# Altium PCB ESP32_Demo.PcbDoc (part 7 of 7) (continued)
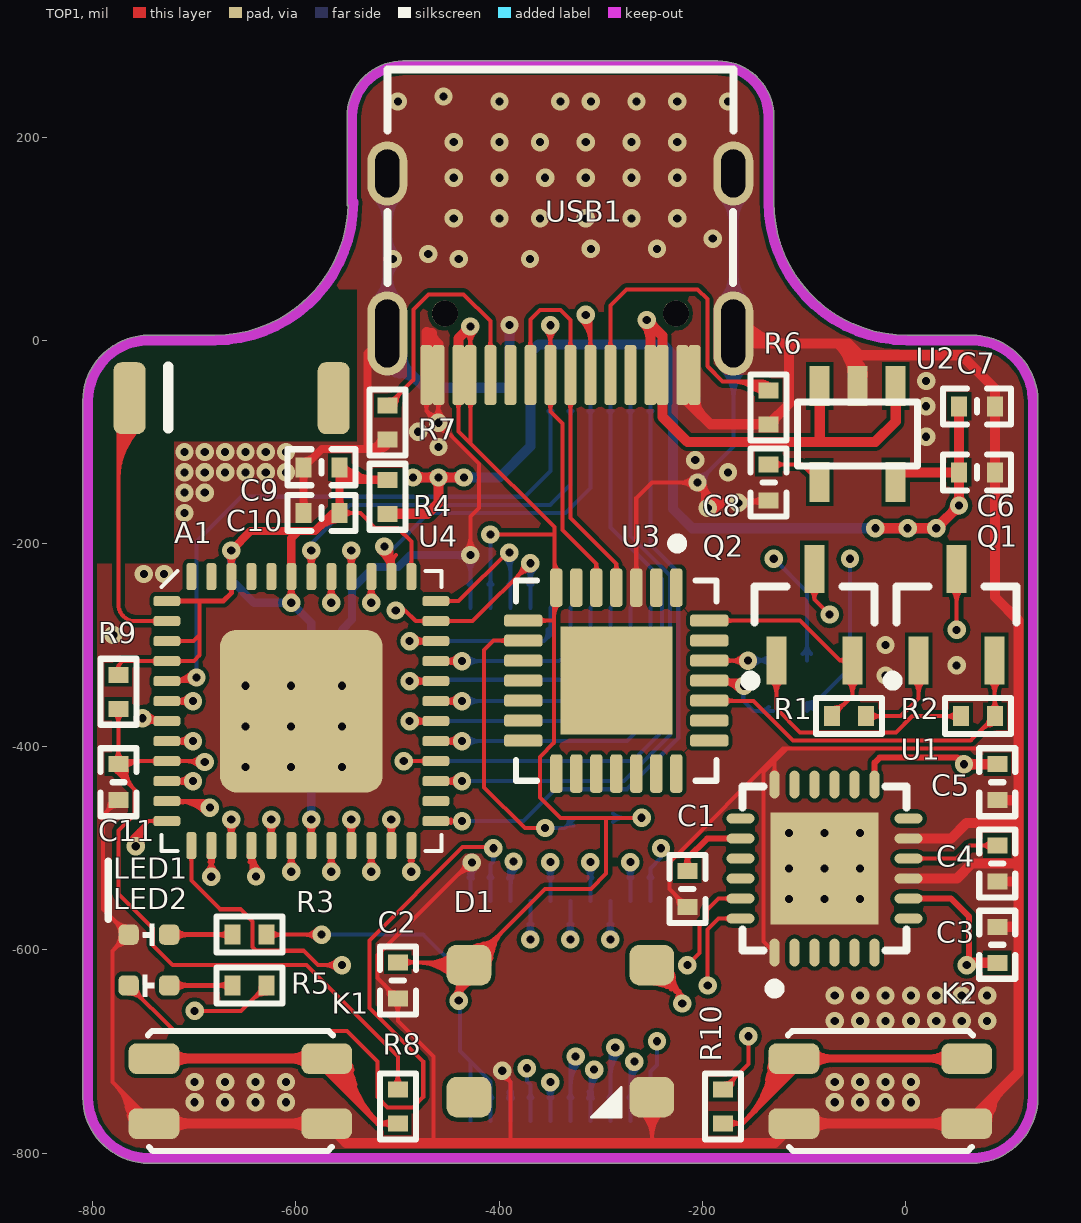
[diagram p0: TOP1 view]
## Nets (pads, with @x,y where several pads share a name; then routed paths per layer and width w, separated by ;. In a path a pad name is that pad's centre, name@x,y a point inside that pad or via, vN(x,y) a via of type N, cw(c..) or ccw(c..) an arc to the next point about the centre after c; other vN are vias at no path point) (continued)
  TOP1 w5: U4.1@-727.15,-256.73 -694.77,-256.73 -671.5,-256.73 -663.67,-248.9 U4.46@-663.67,-232.62 ; U4.1@-717.08,-258.44 cw(c-712.94,-262.58) -712.94,-256.73 ; U4.1@-717.08,-258.44 cw(c-712.94,-262.58) -712.94,-256.73 ; U4.1@-717.08,-258.44 cw(c-712.94,-262.58) -712.94,-256.73 ; U4.1@-717.08,-258.44 cw(c-712.94,-262.58) -712.94,-256.73 ; U4.1@-717.08,-258.44 cw(c-712.94,-262.58) -712.94,-256.73 ; U4.1@-717.08,-258.44 cw(c-712.94,-262.58) -712.94,-256.73 ; U4.1@-717.08,-255.02 ccw(c-712.94,-250.89) -712.94,-256.73 ; U4.1@-717.08,-255.02 ccw(c-712.94,-250.89) -712.94,-256.73 ; U4.1@-717.08,-255.02 ccw(c-712.94,-250.89) -712.94,-256.73 ; U4.1@-717.08,-255.02 ccw(c-712.94,-250.89) -712.94,-256.73 ; U4.1@-717.08,-255.02 ccw(c-712.94,-250.89) -712.94,-256.73 ; U4.1@-717.08,-255.02 ccw(c-712.94,-250.89) -712.94,-256.73 ; U4.46@-665.38,-242.7 cw(c-669.52,-246.83) -663.67,-246.83 ; U4.46@-665.38,-242.7 cw(c-669.52,-246.83) -663.67,-246.83 ; U4.46@-665.38,-242.7 cw(c-669.52,-246.83) -663.67,-246.83 ; U4.46@-665.38,-242.7 cw(c-669.52,-246.83) -663.67,-246.83 ; U4.46@-665.38,-242.7 cw(c-669.52,-246.83) -663.67,-246.83 ; U4.46@-665.38,-242.7 cw(c-669.52,-246.83) -663.67,-246.83 ; -663.67,-246.83 cw(c-657.82,-246.83) U4.46@-661.96,-242.7 ; -663.67,-246.83 cw(c-657.82,-246.83) U4.46@-661.96,-242.7 ; -663.67,-246.83 cw(c-657.82,-246.83) U4.46@-661.96,-242.7 ; -663.67,-246.83 cw(c-657.82,-246.83) U4.46@-661.96,-242.7 ; -663.67,-246.83 cw(c-657.82,-246.83) U4.46@-661.96,-242.7 ; -663.67,-246.83 cw(c-657.82,-246.83) U4.46@-661.96,-242.7
  TOP1 w8: v1(-663.67,-206.83) -644.68,-187.84 -597.61,-187.84 ; U4.43@-604.61,-232.62 -604.61,-194.84 -597.61,-187.84 ; C9.2@-557.06,-125 C10.2@-557.06,-170 -563.46,-170 -581.3,-187.84 -597.61,-187.84 ; -554.35,-137.29 R4.2@-509.77,-137.29 ; C9.2@-553.61,-125.21 ccw(c-544.6,-120.59) -544.6,-130.71 ; -577.96,-184.5 cw(c-557.06,-205.41) C10.2@-557.06,-175.85 ; -577.96,-184.5 cw(c-557.06,-205.41) C10.2@-557.06,-175.85 ; -577.96,-184.5 cw(c-557.06,-205.41) C10.2@-557.06,-175.85 ; -577.96,-184.5 cw(c-557.06,-205.41) C10.2@-557.06,-175.85 ; -577.96,-184.5 cw(c-557.06,-205.41) C10.2@-557.06,-175.85 ; -577.96,-184.5 cw(c-557.06,-205.41) C10.2@-557.06,-175.85 ; -573.85,-180.35 ccw(c-579.58,-158.97) C10.2@-560.41,-170.03 ; -573.85,-180.35 ccw(c-579.58,-158.97) C10.2@-560.41,-170.03 ; -573.85,-180.35 ccw(c-579.58,-158.97) C10.2@-560.41,-170.03 ; -573.85,-180.35 ccw(c-579.58,-158.97) C10.2@-560.41,-170.03 ; -573.85,-180.35 ccw(c-579.58,-158.97) C10.2@-560.41,-170.03 ; -573.85,-180.35 ccw(c-579.58,-158.97) C10.2@-560.41,-170.03 ; -573.85,-180.35 ccw(c-579.58,-158.97) C10.2@-560.41,-170.03 ; -573.85,-180.35 ccw(c-579.58,-158.97) C10.2@-560.41,-170.03 ; -573.85,-180.35 ccw(c-579.58,-158.97) C10.2@-560.41,-170.03 ; -573.85,-180.35 ccw(c-579.58,-158.97) C10.2@-560.41,-170.03 ; -573.85,-180.35 ccw(c-579.58,-158.97) C10.2@-560.41,-170.03 ; -573.85,-180.35 ccw(c-579.58,-158.97) C10.2@-560.41,-170.03 ; -573.85,-180.35 ccw(c-579.58,-158.97) C10.2@-560.41,-170.03 ; -573.85,-180.35 ccw(c-579.58,-158.97) C10.2@-560.41,-170.03 ; -573.85,-180.35 ccw(c-579.58,-158.97) C10.2@-560.41,-170.03 ; -568.51,-178.13 cw(c-561.36,-185.29) C10.2@-558.25,-175.66 ; -568.51,-178.13 cw(c-561.36,-185.29) C10.2@-558.25,-175.66 ; -568.51,-178.13 cw(c-561.36,-185.29) C10.2@-558.25,-175.66 ; -568.51,-178.13 cw(c-561.36,-185.29) C10.2@-558.25,-175.66 ; -568.51,-178.13 cw(c-561.36,-185.29) C10.2@-558.25,-175.66 ; -568.51,-178.13 cw(c-561.36,-185.29) C10.2@-558.25,-175.66 ; -568.51,-178.13 cw(c-561.36,-185.29) C10.2@-558.25,-175.66 ; -568.51,-178.13 cw(c-561.36,-185.29) C10.2@-558.25,-175.66 ; -568.51,-178.13 cw(c-561.36,-185.29) C10.2@-558.25,-175.66 ; -568.51,-178.13 cw(c-561.36,-185.29) C10.2@-558.25,-175.66 ; -568.51,-178.13 cw(c-561.36,-185.29) C10.2@-558.25,-175.66 ; -568.51,-178.13 cw(c-561.36,-185.29) C10.2@-558.25,-175.66 ; -568.51,-178.13 cw(c-561.36,-185.29) C10.2@-558.25,-175.66 ; -568.51,-178.13 cw(c-561.36,-185.29) C10.2@-558.25,-175.66 ; -568.51,-178.13 cw(c-561.36,-185.29) C10.2@-558.25,-175.66 ; -568.51,-178.13 cw(c-561.36,-185.29) C10.2@-558.25,-175.66 ; -568.51,-178.13 cw(c-561.36,-185.29) C10.2@-558.25,-175.66 ; -568.51,-178.13 cw(c-561.36,-185.29) C10.2@-558.25,-175.66 ; -568.51,-178.13 cw(c-561.36,-185.29) C10.2@-558.25,-175.66 ; -568.51,-178.13 cw(c-561.36,-185.29) C10.2@-558.25,-175.66 ; C9.2@-559.98,-129.89 ccw(c-542.12,-112.03) -542.12,-137.29 ; C9.2@-559.98,-129.89 ccw(c-542.12,-112.03) -542.12,-137.29 ; C9.2@-559.98,-129.89 ccw(c-542.12,-112.03) -542.12,-137.29 ; C10.2@-559.8,-165.3 ccw(c-566.41,-158.68) -557.06,-158.68 ; C10.2@-559.8,-165.3 ccw(c-566.41,-158.68) -557.06,-158.68 ; C10.2@-559.8,-165.3 ccw(c-566.41,-158.68) -557.06,-158.68 ; C10.2@-559.8,-165.3 ccw(c-566.41,-158.68) -557.06,-158.68 ; C10.2@-559.8,-165.3 ccw(c-566.41,-158.68) -557.06,-158.68 ; C10.2@-559.8,-165.3 ccw(c-566.41,-158.68) -557.06,-158.68 ; C9.2@-559.8,-129.71 cw(c-566.41,-136.32) -557.06,-136.32 ; C9.2@-559.8,-129.71 cw(c-566.41,-136.32) -557.06,-136.32 ; C9.2@-559.8,-129.71 cw(c-566.41,-136.32) -557.06,-136.32 ; C9.2@-559.8,-129.71 cw(c-566.41,-136.32) -557.06,-136.32 ; C9.2@-559.8,-129.71 cw(c-566.41,-136.32) -557.06,-136.32 ; C9.2@-559.8,-129.71 cw(c-566.41,-136.32) -557.06,-136.32 ; -557.06,-158.68 ccw(c-547.71,-158.68) C10.2@-554.32,-165.3 ; -557.06,-158.68 ccw(c-547.71,-158.68) C10.2@-554.32,-165.3 ; -557.06,-158.68 ccw(c-547.71,-158.68) C10.2@-554.32,-165.3 ; -557.06,-158.68 ccw(c-547.71,-158.68) C10.2@-554.32,-165.3 ; -557.06,-158.68 ccw(c-547.71,-158.68) C10.2@-554.32,-165.3 ; -557.06,-158.68 ccw(c-547.71,-158.68) C10.2@-554.32,-165.3 ; -557.06,-136.32 cw(c-547.71,-136.32) C9.2@-554.32,-129.71 ; -557.06,-136.32 cw(c-547.71,-136.32) C9.2@-554.32,-129.71 ; -557.06,-136.32 cw(c-547.71,-136.32) C9.2@-554.32,-129.71 ; -557.06,-136.32 cw(c-547.71,-136.32) C9.2@-554.32,-129.71 ; -557.06,-136.32 cw(c-547.71,-136.32) C9.2@-554.32,-129.71 ; -557.06,-136.32 cw(c-547.71,-136.32) C9.2@-554.32,-129.71 ; C9.2@-556.06,-130.71 cw(c-550.33,-152.09) -539.26,-132.92 ; C9.2@-556.06,-130.71 cw(c-550.33,-152.09) -539.26,-132.92 ; C9.2@-556.06,-130.71 cw(c-550.33,-152.09) -539.26,-132.92 ; C9.2@-554.32,-124.23 ccw(c-522.8,-92.72) -522.8,-137.29 ; C9.2@-554.32,-124.23 ccw(c-522.8,-92.72) -522.8,-137.29 ; C9.2@-554.32,-124.23 ccw(c-522.8,-92.72) -522.8,-137.29 ; C9.2@-553.19,-126.81 ccw(c-540.12,-126.25) -546.66,-137.58 ; C9.2@-553.19,-126.81 ccw(c-540.12,-126.25) -546.66,-137.58 ; C9.2@-553.19,-126.81 ccw(c-540.12,-126.25) -546.66,-137.58 ; -521.09,-137.29 cw(c-521.09,-146.64) R4.2@-514.48,-140.03 ; -521.09,-137.29 ccw(c-521.09,-127.93) R4.2@-514.48,-134.55 ; -521.09,-137.29 cw(c-521.09,-146.64) R4.2@-514.48,-140.03 ; -521.09,-137.29 ccw(c-521.09,-127.93) R4.2@-514.48,-134.55 ; -521.09,-137.29 cw(c-521.09,-146.64) R4.2@-514.48,-140.03 ; -521.09,-137.29 ccw(c-521.09,-127.93) R4.2@-514.48,-134.55 ; -521.09,-137.29 cw(c-521.09,-146.64) R4.2@-514.48,-140.03 ; -521.09,-137.29 ccw(c-521.09,-127.93) R4.2@-514.48,-134.55 ; -521.09,-137.29 cw(c-521.09,-146.64) R4.2@-514.48,-140.03 ; -521.09,-137.29 ccw(c-521.09,-127.93) R4.2@-514.48,-134.55 ; -521.09,-137.29 ccw(c-521.09,-127.93) R4.2@-514.48,-134.55 ; -521.09,-137.29 cw(c-521.09,-146.64) R4.2@-514.48,-140.03
  BOTTOM4 w8: v1(-663.67,-206.83) -663.67,-236.1 -641.37,-258.41 v1(-604.61,-258.41) -584.93,-278.09 v1(-584.93,-471.59)
VCC_3V3: C3.2 C5.1 C6.2 C7.2 LED2.1 P1.14 P2.12 R4.1 U1.8 U1.13 U2.5 | length 4878
  TOP1 w4: v1(-405.77,-499.98) -406.81,-498.94 -435.94,-498.94 -527.77,-590.77 -527.77,-657 -474.77,-710 -474.77,-745 -484.77,-755 -509.77,-755 -519.77,-745 -519.77,-710 -549.77,-680 -719.77,-680 LED2.1@-764.77,-635 ; LED2.1@-764.77,-643 cw(c-764.77,-662.31) -751.12,-648.66 ; LED2.1@-764.77,-643 cw(c-764.77,-662.31) -751.12,-648.66 ; LED2.1@-764.77,-643 cw(c-764.77,-662.31) -751.12,-648.66 ; LED2.1@-764.77,-635 cw(c-767.58,-648.7) -754.07,-645.08 ; LED2.1@-764.77,-635 ccw(c-751.07,-632.19) -754.69,-645.7 ; LED2.1@-764.77,-635 cw(c-767.58,-648.7) -754.07,-645.08 ; LED2.1@-764.77,-635 ccw(c-751.07,-632.19) -754.69,-645.7 ; LED2.1@-764.77,-635 cw(c-767.58,-648.7) -754.07,-645.08 ; LED2.1@-764.77,-635 ccw(c-751.07,-632.19) -754.69,-645.7 ; LED2.1@-756.77,-635 ccw(c-737.46,-635) -751.12,-648.66 ; LED2.1@-756.77,-635 ccw(c-737.46,-635) -751.12,-648.66 ; LED2.1@-756.77,-635 ccw(c-737.46,-635) -751.12,-648.66
  TOP1 w6: U1.13@-30.56,-437.32 -30.56,-415.79 -25.61,-410.84 51.07,-410.84 ; U1.8@2.9,-549.53 44.76,-549.53 62.51,-567.29 v1@62.51,-612.71 ; v1@51.94,-415.06 ccw(c48.29,-413.61) 51.07,-410.84 ; v1@55.29,-411.71 cw(c53.84,-408.07) 51.07,-410.84 ; v1(57.51,-417.28) 51.07,-410.84
  TOP1 w10: R4.1@-509.77,-170.75 -470.52,-170.75 -459.77,-160 v1(-459.77,-135) ; v1(-484.77,-135) v1(-459.77,-135) ; v1@-481.94,-137.83 cw(c-475.12,-144.66) -475.12,-135 cw(c-475.12,-125.34) v1@-481.94,-132.17 ; v1@-462.6,-132.17 cw(c-469.43,-125.34) -469.43,-135 cw(c-469.43,-144.66) -462.6,-137.83 cw(c-469.43,-144.66) -459.77,-144.66 cw(c-450.12,-144.66) -456.94,-137.83 cw(c-450.12,-144.66) -450.12,-135 cw(c-450.12,-125.34) v1@-456.94,-132.17 ; v1@-437.6,-137.83 ccw(c-444.43,-144.66) -444.43,-135 ccw(c-444.43,-125.34) v1@-437.6,-132.17 ; v1(-434.77,-135) v1(-459.77,-135) ; v1(-29.77,-185) v1(30.23,-185) v1(52.51,-162.71) C6.2@52.51,-130 ; v1@-26.94,-187.83 cw(c-20.12,-194.66) -20.12,-185 cw(c-20.12,-175.34) v1@-26.94,-182.17 ; v1@-0.83,-187.83 ccw(c-7.66,-194.66) -7.66,-185 ccw(c-7.66,-175.34) v1@-0.83,-182.17 ; U2.5@-0.28,-130 C6.2@52.51,-130 ; v1@4.83,-187.83 cw(c11.66,-194.66) 11.66,-185 cw(c11.66,-175.34) v1@4.83,-182.17 ; v1@27.4,-187.83 ccw(c20.57,-194.66) 20.57,-185 ccw(c20.57,-175.34) v1@27.4,-182.17 ; v1@30.23,-181 ccw(c30.23,-171.34) 37.06,-178.17 ccw(c43.88,-185) v1@34.23,-185 ; v1@48.51,-162.71 cw(c38.86,-162.71) 45.69,-169.54 cw(c52.51,-176.37) v1@52.51,-166.71 ; v1@49.69,-159.88 ccw(c42.86,-153.06) 52.51,-153.06 ccw(c62.17,-153.06) v1@55.34,-159.88 ; C7.2@52.51,-65 C6.2@52.51,-130 ; v1(57.51,-417.28) C5.1@90.23,-417.28 ; v1@60.34,-420.11 cw(c67.17,-426.94) 67.17,-417.28 cw(c67.17,-407.63) v1@60.34,-414.46 ; v1@62.51,-612.71 C3.2@90.22,-612.71 ; U2.5@-6.35,-133.07 cw(c1.07,-140.49) 1.07,-130 ; U2.5@-6.35,-133.07 cw(c1.07,-140.49) 1.07,-130 ; U2.5@-6.35,-133.07 cw(c1.07,-140.49) 1.07,-130 ; U2.5@-6.35,-133.07 cw(c1.07,-140.49) 1.07,-130 ; U2.5@-6.35,-133.07 cw(c1.07,-140.49) 1.07,-130 ; U2.5@-6.35,-133.07 cw(c1.07,-140.49) 1.07,-130 ; U2.5@-6.35,-126.22 ccw(c2.77,-117.11) 2.77,-130 ; U2.5@-6.35,-126.22 ccw(c2.77,-117.11) 2.77,-130 ; U2.5@-6.35,-126.22 ccw(c2.77,-117.11) 2.77,-130 ; U2.5@-6.35,-126.22 ccw(c2.77,-117.11) 2.77,-130 ; U2.5@-6.35,-126.22 ccw(c2.77,-117.11) 2.77,-130 ; U2.5@-6.35,-126.22 ccw(c2.77,-117.11) 2.77,-130
  MidLayer3 w4: v1@-404.94,-499.14 v1(-405.77,-499.98) -405.77,-461 -367.77,-423 51.79,-423 v1(57.51,-417.28) ; 109.7,-514.48 110.23,-515
  MidLayer3 w10: v1(-484.77,-135) v1(-459.77,-135) v1(-434.77,-135) -396.77,-135 -346.77,-185 v1(-29.77,-185) v1(30.23,-185) ; v1@-481.94,-137.83 cw(c-475.12,-144.66) -475.12,-135 cw(c-475.12,-125.34) v1@-481.94,-132.17 ; v1@-462.6,-137.83 ccw(c-469.43,-144.66) -469.43,-135 ccw(c-469.43,-125.34) v1@-462.6,-132.17 ; v1@-456.94,-137.83 cw(c-450.12,-144.66) -450.12,-135 cw(c-450.12,-125.34) v1@-456.94,-132.17 ; v1@-437.6,-137.83 ccw(c-444.43,-144.66) -444.43,-135 ccw(c-444.43,-125.34) v1@-437.6,-132.17 ; v1@-431.94,-137.83 cw(c-425.12,-144.66) -425.12,-135 cw(c-425.12,-125.34) v1@-431.94,-132.17 ; v1@-32.6,-187.83 ccw(c-39.43,-194.66) -39.43,-185 ccw(c-39.43,-175.34) v1@-32.6,-182.17 ; v1@-26.94,-187.83 cw(c-20.12,-194.66) -20.12,-185 cw(c-20.12,-175.34) v1@-26.94,-182.17 ; v1@-0.83,-187.83 ccw(c-7.66,-194.66) -7.66,-185 ccw(c-7.66,-175.34) v1@-0.83,-182.17 ; v1@4.83,-187.83 cw(c11.66,-194.66) 11.66,-185 cw(c11.66,-175.34) v1@4.83,-182.17 ; v1@27.4,-187.83 ccw(c20.57,-194.66) 20.57,-185 ccw(c20.57,-175.34) v1@27.4,-182.17 ; v1@30.23,-181 ccw(c30.23,-171.34) 37.06,-178.17 ccw(c43.88,-185) v1@34.23,-185 ; v1@33.06,-187.83 cw(c39.88,-194.66) 39.88,-185 cw(c39.88,-175.34) v1@33.06,-182.17 ; v1@48.51,-162.71 cw(c38.86,-162.71) 45.69,-169.54 cw(c52.51,-176.37) v1@52.51,-166.71 ; v1(52.51,-162.71) v1(30.23,-185) ; v1(57.51,-417.28) 107.94,-417.28 ; v1(60.23,-615) 80.23,-615 110.23,-585 110.23,-515 110.23,-235 60.23,-185 v1(30.23,-185) ; v1@60.34,-420.11 cw(c67.17,-426.94) 67.17,-417.28 cw(c67.17,-407.63) v1@60.34,-414.46 ; v1@63.06,-617.83 cw(c69.88,-624.66) 69.88,-615 cw(c69.88,-605.34) v1@63.06,-612.17
  BOTTOM4 w4: v1@-409.65,-505.81 cw(c-414.45,-513.03) -405.77,-513.03 ; P2.12@-408.67,-551.73 -408.67,-515.93 -405.77,-513.03 ; v1(-405.77,-499.98) -405.77,-513.03 ; v1@-401.9,-505.81 ccw(c-397.1,-513.03) -405.77,-513.03 ; P2.12@-410.74,-529 ccw(c-415.72,-524.01) -408.67,-524.01 ; P2.12@-410.74,-529 ccw(c-415.72,-524.01) -408.67,-524.01 ; P2.12@-410.74,-529 ccw(c-415.72,-524.01) -408.67,-524.01 ; P2.12@-410.74,-529 ccw(c-415.72,-524.01) -408.67,-524.01 ; P2.12@-410.74,-529 ccw(c-415.72,-524.01) -408.67,-524.01 ; P2.12@-410.74,-529 ccw(c-415.72,-524.01) -408.67,-524.01 ; -408.67,-524.01 ccw(c-401.62,-524.01) P2.12@-406.6,-529 ; -408.67,-524.01 ccw(c-401.62,-524.01) P2.12@-406.6,-529 ; -408.67,-524.01 ccw(c-401.62,-524.01) P2.12@-406.6,-529 ; -408.67,-524.01 ccw(c-401.62,-524.01) P2.12@-406.6,-529 ; -408.67,-524.01 ccw(c-401.62,-524.01) P2.12@-406.6,-529 ; -408.67,-524.01 ccw(c-401.62,-524.01) P2.12@-406.6,-529
  BOTTOM4 w10: v1(-484.77,-135) v1(-459.77,-135) v1(-434.77,-135) -399.77,-135 -369.3,-104.53 P1.14@-369.3,-46.73 -369.3,-12.3 -361,-4 -239,-4 -229,-14 -229,-166 -210,-185 v1(-29.77,-185) v1(30.23,-185) v1(52.51,-162.71) ; v1@-481.94,-137.83 cw(c-475.12,-144.66) -475.12,-135 cw(c-475.12,-125.34) v1@-481.94,-132.17 ; v1@-462.6,-137.83 ccw(c-469.43,-144.66) -469.43,-135 ccw(c-469.43,-125.34) v1@-462.6,-132.17 ; v1@-456.94,-137.83 cw(c-450.12,-144.66) -450.12,-135 cw(c-450.12,-125.34) v1@-456.94,-132.17 ; v1@-437.6,-137.83 ccw(c-444.43,-144.66) -444.43,-135 ccw(c-444.43,-125.34) v1@-437.6,-132.17 ; v1@-431.94,-137.83 cw(c-425.12,-144.66) -425.12,-135 cw(c-425.12,-125.34) v1@-431.94,-132.17 ; v1@-32.6,-187.83 ccw(c-39.43,-194.66) -39.43,-185 ccw(c-39.43,-175.34) v1@-32.6,-182.17 ; v1@-26.94,-187.83 cw(c-20.12,-194.66) -20.12,-185 cw(c-20.12,-175.34) v1@-26.94,-182.17 ; v1@-0.83,-187.83 ccw(c-7.66,-194.66) -7.66,-185 ccw(c-7.66,-175.34) v1@-0.83,-182.17 ; v1@4.83,-187.83 cw(c11.66,-194.66) 11.66,-185 cw(c11.66,-175.34) v1@4.83,-182.17 ; v1@27.4,-187.83 ccw(c20.57,-194.66) 20.57,-185 ccw(c20.57,-175.34) v1@27.4,-182.17 ; v1@30.23,-181 ccw(c30.23,-171.34) 37.06,-178.17 ccw(c43.88,-185) v1@34.23,-185 ; v1@48.51,-162.71 cw(c38.86,-162.71) 45.69,-169.54 cw(c52.51,-176.37) v1@52.51,-166.71
  other v1: 2,-185
pads on no net: A1. D1.2 U1.2 U1.3 U1.4 U1.5 U1.6 U1.7 U1.12 U1.14 U1.15 U1.16 U1.17 U1.19 U1.21 U1.22 U3.1 U3.2 U3.6 U3.10 U3.11 U3.12 U3.13 U3.14 U3.15 U3.16 U3.17 U3.18 U3.19 U3.20 U3.21 U3.22 U3.23 U3.27 U3.29 U4.26 U4.44 U4.45 U4.47 U4.48 USB1.0 USB1.A8 USB1.B8

## Polygon pours and split planes (outlines as drawn)
GND on TOP1 "Top Overlay-No Net" (solid, remove dead copper, pour order 2): -844.77,285 -844.77,-840 210.23,-840 215.23,-835 215.23,285
GND on MidLayer3 "Top Overlay-No Net" (solid, remove dead copper, pour order 4): -829.77,285 -829.77,-830 170.23,-830 170.23,280 175.23,285
GND on BOTTOM4 "Top Overlay-No Net" (solid, remove dead copper, pour order 6): -839.77,285 -839.77,-835 155.23,-835 155.23,285
GND on GND02 (split plane): -180.21,254.69 -175.72,253.8 -171.38,252.33 -167.28,250.3 -163.47,247.76 -160.03,244.74 -157.01,241.3 -154.47,237.49 -152.45,233.39 -150.97,229.06 -150.08,224.57 -149.81,220.44 -149.85,220 -149.85,136.12 -149.47,125.34 -148.31,114.61 -146.4,103.98 -143.73,93.53 -140.32,83.28 -136.19,73.31 -131.36,63.66 -125.85,54.38 -119.69,45.51 -112.92,37.11 -105.57,29.21 -97.67,21.85 -89.26,15.08 -80.4,8.92 -71.11,3.41 -61.46,-1.42 -51.49,-5.55 -41.25,-8.96 -30.79,-11.63 -20.17,-13.54 -9.43,-14.7 1.34,-15.08 1.35,-15.08 65.23,-15.08 65.8,-15.03 71.1,-15.37 76.88,-16.52 82.45,-18.41 87.73,-21.02 92.63,-24.29 97.06,-28.17 100.94,-32.6 104.21,-37.49 106.81,-42.77 108.71,-48.35 109.85,-54.12 110.2,-59.43 110.15,-60 110.15,-745 110.2,-745.57 109.85,-750.88 108.71,-756.65 106.81,-762.23 104.21,-767.51 100.94,-772.4 97.06,-776.83 92.63,-780.71 87.73,-783.98 82.45,-786.59 76.88,-788.48 71.1,-789.63 65.8,-789.97 65.23,-789.92 -744.77,-789.92 -745.34,-789.97 -750.65,-789.63 -756.42,-788.48 -762,-786.59 -767.28,-783.98 -772.17,-780.71 -776.6,-776.83 -780.48,-772.4 -783.75,-767.51 -786.36,-762.23 -788.25,-756.65 -789.4,-750.88 -789.75,-745.57 -789.69,-745 -789.69,-220 -719.77,-220 -719.77,-100 -539.77,-100 -539.77,50 -555.61,50 -552.57,54.38 -547.06,63.66 -542.23,73.31 -538.1,83.28 -534.69,93.53 -532.02,103.98 -530.11,114.61 -528.95,125.34 -528.79,129.73 -528.68,130.43 -528.7,131.07 -528.64,131.7 -528.69,132.16 -528.6,133.01 -528.71,134.12 -528.44,134.77 -528.88,135.82 -528.91,136.12 -528.44,136.12 -529.32,138.23 -529.57,138.84 -529.69,139.24 -529.69,220 -529.73,220.44 -529.46,224.57 -528.57,229.06 -527.1,233.39 -525.07,237.49 -522.53,241.3 -519.51,244.74 -516.07,247.76 -512.27,250.3 -508.16,252.33 -503.83,253.8 -499.34,254.69 -495.21,254.96 -494.77,254.92 -184.77,254.92 -184.34,254.96

## Keep-outs
Keep-Out Layer:
  lines w10: -544.77,136.12 -544.77,220 cw(c-494.77,220) -494.77,270 -184.77,270 cw(c-184.77,220) -134.77,220 -134.77,136.12 ccw(c1.35,136.12) 1.35,0 65.23,0 cw(c65.23,-60) 125.23,-60 125.23,-745 cw(c65.23,-745) 65.23,-805 -744.77,-805 cw(c-744.77,-745) -804.77,-745 -804.77,-60 cw(c-744.77,-60) -744.77,0 -679.77,0 ccw(c-679.77,136.12) -543.65,136.12

## Other copper
TOP1:
  pour cut-out: -804.77,-220 -719.77,-220 -719.77,-100 -539.77,-100 -539.77,50 -804.77,50
MidLayer3:
  pour cut-out: -804.77,-220 -719.77,-220 -719.77,-100 -539.77,-100 -539.77,50 -804.77,50
BOTTOM4:
  pour cut-out: -804.77,-220 -719.77,-220 -719.77,-100 -539.77,-100 -539.77,50 -804.77,50
GND02 (plane layer: these items are gaps in the copper):
  pour cut-out: -804.77,-220 -719.77,-220 -719.77,-100 -539.77,-100 -539.77,50 -804.77,50

## Silkscreen, mask and mechanical layers (free items; w line width, h text height)
Top Overlay:
  lines w7: -784.77,-570 -784.77,-512.48
Bottom Overlay:
  lines w15: -774.77,-765 -599.77,-765 ; -89.77,-765 85.23,-765
  text "o" at -249.77,-115 h450
  text "xiaoliuge&" at -759.77,-745 h120 r270
  text "ESP32_DEV" at -669.77,-745.11 h100 r270
  text "www.xiaoliuge.com" at -49.77,-745 h80 r270
  text "Version 1.2" at 10.23,-745 h120 r270
Top Solder:
  rectangle: -834.77,-220 -719.77,50
  rectangle: -719.77,-100 -539.77,50
Bottom Solder:
  rectangle: -834.77,-220 -719.77,50
  rectangle: -719.77,-100 -539.77,50
Mechanical 1:
  lines w10: -804.77,-745 ccw(c-744.77,-745) -744.77,-805 65.23,-805 ccw(c65.23,-745) 125.23,-745 125.23,-60 ccw(c65.23,-60) 65.23,0 0,0 cw(c0,134.77) -134.77,134.77 -134.77,220 ccw(c-184.77,220) -184.77,270 -494.77,270 ccw(c-494.77,220) -544.77,220 -544.77,134.77 cw(c-679.54,134.77) -679.54,0 -744.77,0 ccw(c-744.77,-60) -804.77,-60 -804.77,-745